# Altium PCB MicroSpecSensorBoard_Layout_V2_1.PcbDoc (part 2 of 2)
Units mm, origin at the board's own origin, x right, y up, seen from the top; angles counter-clockwise.
Board outline 106 x 107.03 mm, 2 copper layers (Top Layer, Bottom Layer); 100 components, 102 nets, 427 pads, 213 vias.
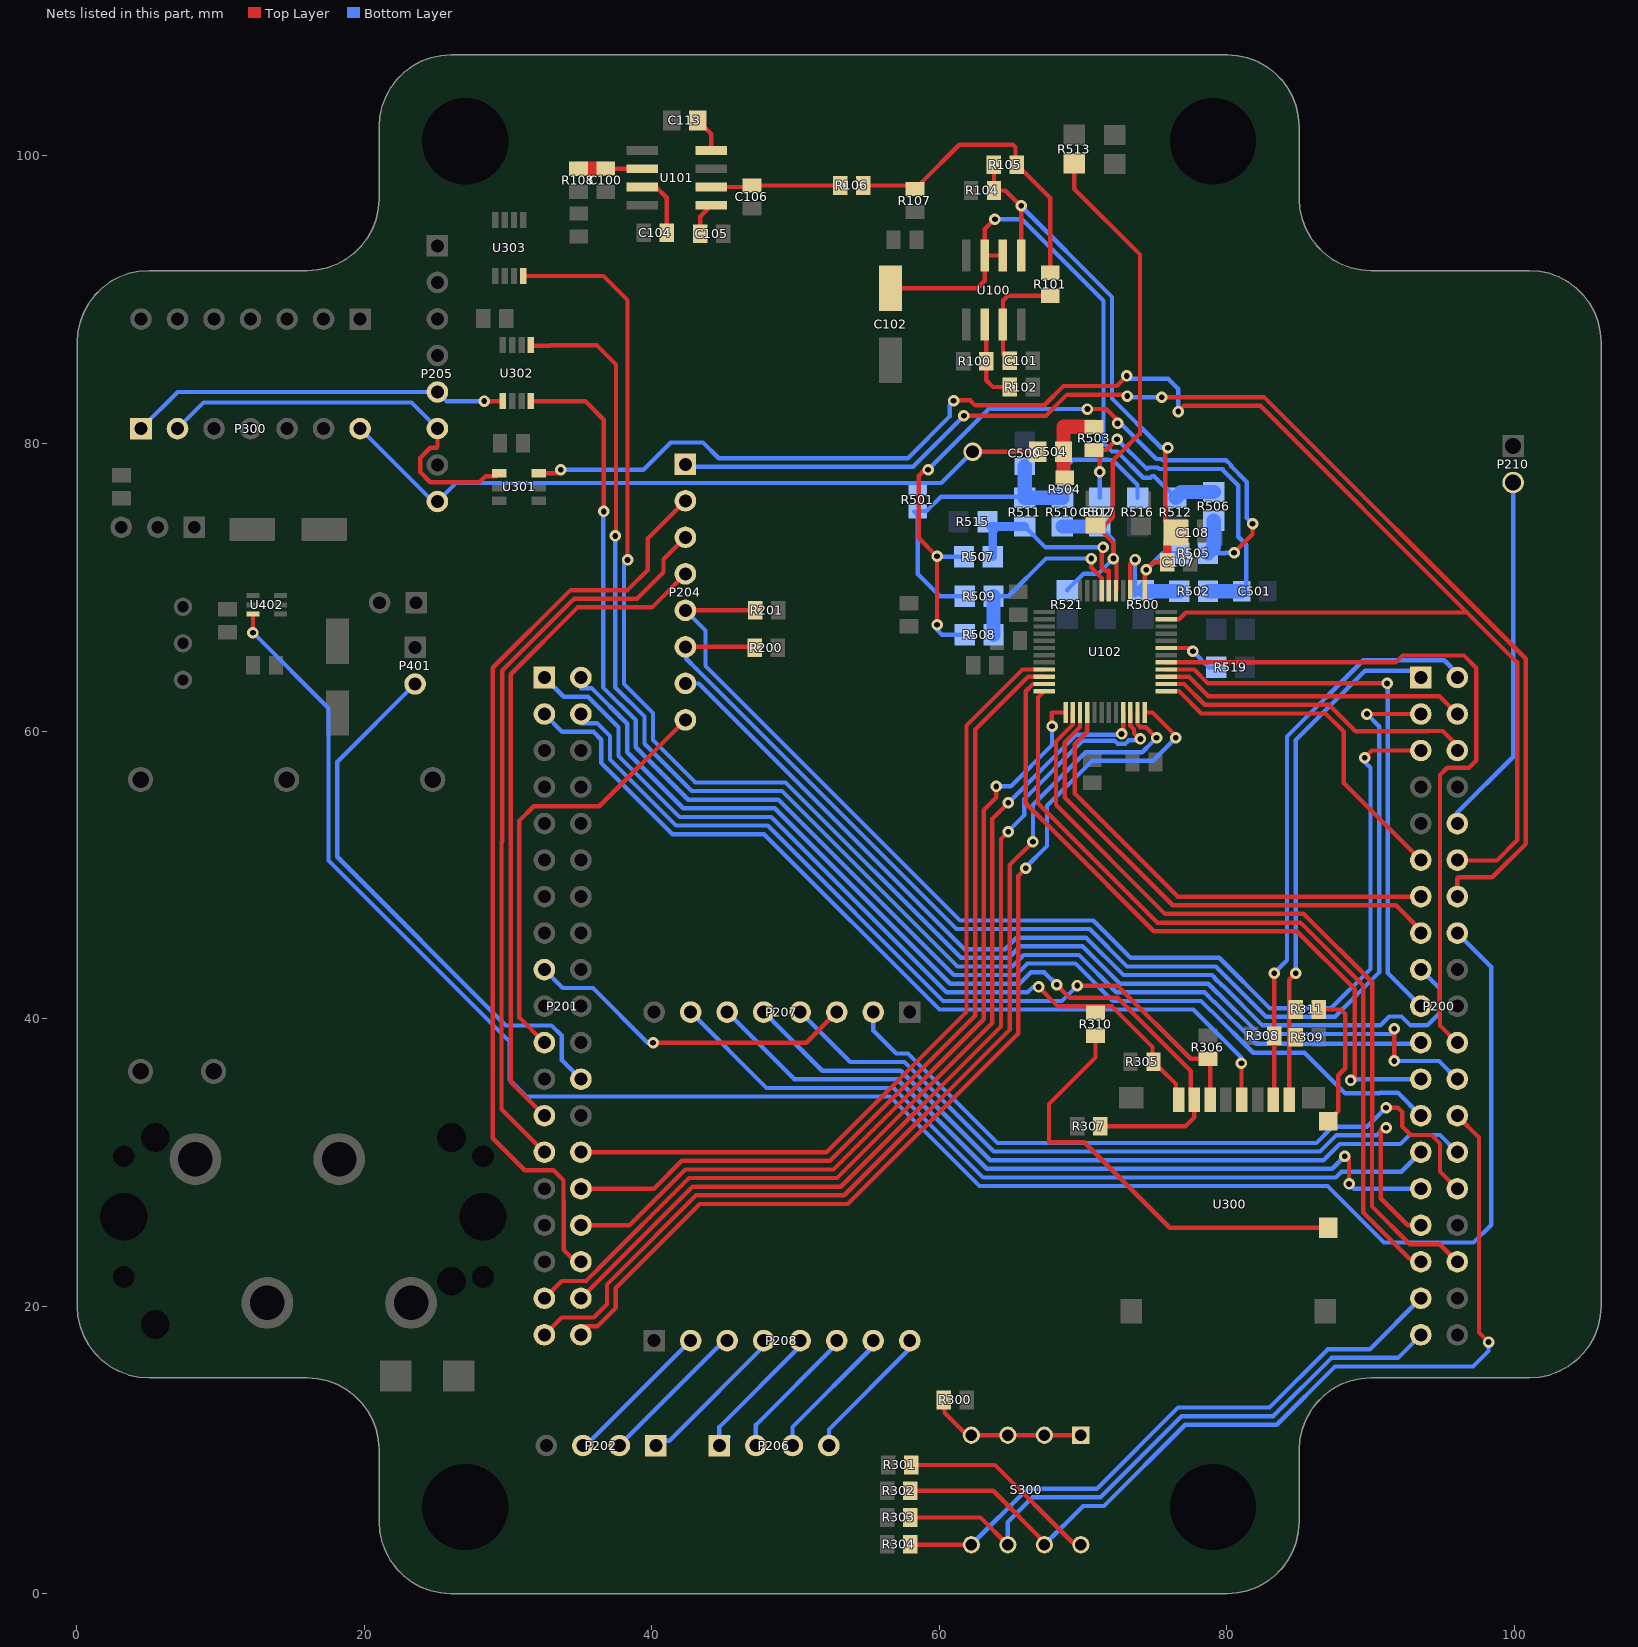
[diagram p2: the nets of this part, all layers, seen from the top]

## Via types
v1: diameter 0.8, hole 0.4, Top Layer to Bottom Layer, 209 vias
v2: diameter 1.3, hole 0.9, Top Layer to Bottom Layer, 2 vias
v3: diameter 1, hole 1, Top Layer to Bottom Layer, 2 vias

## Nets (pads, with @x,y where several pads share a name; then routed paths per layer and width w, separated by ;. In a path a pad name is that pad's centre, name@x,y a point inside that pad or via, vN(x,y) a via of type N, cw(c..) or ccw(c..) an arc to the next point about the centre after c; other vN are vias at no path point) (continued)
"IN B": C502.1 R510.2 R513.2 R517.2 R521.2 U102.41 | length 43.3
  Top Layer w0.3: R513.2@69.388,99.475 69.388,97.712 73.963,93.137 73.963,80.625 73.864,80.625 73.213,79.974 73.213,79.948 72.715,79.45 72.689,79.45 72.163,78.924 72.163,78.825 72.063,78.725 72.063,74.875 71.513,74.325 C502.1@70.863,74.325 72.113,73.075 v1(72.113,72) 72.319,71.794 72.319,69.794 U102.41@72.288,69.763
  Bottom Layer w0.3: R521.2@68.888,69.8 70.038,70.95 71.063,70.95 v1(72.113,72) 72.113,73.275 R517.2@71.163,74.225
  Bottom Layer w1: R510.2@68.563,74.225 R517.2@71.163,74.225
"IN C": R507.1 R511.2 R515.2 U102.42 | length 13.6
  Top Layer w0.3: v1@71.288,72.45 71.288,71.4 71.532,71.156 71.788,71.156 U102.42@71.788,69.763
  Bottom Layer w0.3: R511.2@65.938,74.225 67.388,72.775 v1(71.388,72.775)
  Bottom Layer w0.6: R507.1@63.713,72.125 63.713,74.1 63.588,74.225 R511.2@65.938,74.225
"IN D": R508.1 R509.2 U102.43 | length 13.1
  Top Layer w0.3: v1(70.563,72) 70.563,71.374 71.288,70.649 U102.43@71.288,69.763
  Bottom Layer w0.3: R509.2@63.763,69.375 64.788,69.375 67.413,72 v1(70.563,72)
  Bottom Layer w1: R508.1@63.763,66.7 R509.2@63.763,69.375
INGND: R500.2 R502.2 U102.39 | length 9.4
  Top Layer w0.3: U102.39@73.288,69.763 73.288,71.6 v1(73.613,71.925) 73.613,71.85 73.363,71.6
  Bottom Layer w0.3: v1(73.613,71.925) 73.613,69.425 R500.2@74.188,70 ; R500.2@74.188,69.8 R500.2@74.188,70 ; R500.2@74.188,70 74.325,70.138 74.188,70.275 R500.2@74.188,70
  Bottom Layer w1: R500.2@74.188,69.8 74.263,69.725 R502.2@76.688,69.725
NetC100_1: C100.1 R108.1 U101.2 | length 3.8
  Top Layer w0.3: C100.1@37.403,99.11 U101.2@39.338,99.11
  Top Layer w1: R108.1@34.9,99.1 36.613,99.1 36.638,99.125 C100.1@36.788,99.125
NetC101_1: C101.1 R101.2 U100.3 | length 7.8
  Top Layer w0.3: C101.1@64.888,85.75 64.423,86.215 U100.3@64.423,88.275 64.423,89.935 64.763,90.275 R101.2@67.713,90.275
NetC104_1: C104.1 U101.3 | length 4.5
  Top Layer w0.3: U101.3@39.338,97.84 40.298,97.84 41.038,97.1 C104.1@41.038,94.65
NetC105_1: C105.1 U101.5 | length 2.3
  Top Layer w0.3: C105.1@43.363,94.6 43.363,95.795 U101.5@44.138,96.57
NetC113_2: C113.2 U101.8 | length 2.5
  Top Layer w0.3: C113.2@43.188,102.475 44.138,101.525 U101.8@44.138,100.38
NetC500_1: C500.1 R501.2 R509.1 R510.1 R511.1 R516.2 | length 30.2
  Bottom Layer w0.3: R501.2@58.238,75.275 58.5,75.013 58.5,70.913 60.038,69.375 R509.1@61.763,69.375 ; R501.2@58.5,75.3 59.113,75.3 60.113,76.3 65.863,76.3 R511.1@65.938,76.225 ; R510.1@68.563,76.225 68.563,78.15 69.288,78.875 71.737,78.875 71.762,78.85 72.063,78.85 73.788,77.125 R516.2@73.788,76.225
  Bottom Layer w1: C500.1@65.938,78.425 R511.1@65.938,76.225 R510.1@68.563,76.225
NetC501_2: C501.2 R502.1 R503.2 R517.1 | length 25.4
  Top Layer w0.3: v1(71.163,78.025) 71.163,79.15 R503.2@70.763,79.55 71.613,79.55 v1(72.363,80.3)
  Bottom Layer w0.3: R517.1@71.163,76.225 v1(71.163,78.025) ; v1(72.363,80.3) 74.438,78.225 74.538,78.325 75.186,78.325 75.286,78.225 79.713,78.225 79.713,78.153 80.788,77.078 80.788,73.512 81.35,72.95 81.35,70.037 C501.2@81.038,69.725
  Bottom Layer w1: R502.1@78.688,69.725 C501.2@81.038,69.725
NetR100_1: R100.1 R102.2 U100.2 | length 5.7
  Top Layer w0.3: U100.2@63.153,88.275 63.263,88.165 R100.1@63.263,85.725 63.263,84.4 63.738,83.925 R102.2@64.888,83.925
NetR300_1: R300.1 S300.1 S300.2 S300.3 S300.4 | length 11
  Top Layer w0.3: R300.1@60.313,13.475 60.363,13.425 60.363,12.575 61.918,11.02 S300.4@62.223,11.02 S300.3@64.763,11.02 S300.2@67.303,11.02 S300.1@69.843,11.02
NetR301_2: R301.2 S300.8 | length 14.1
  Top Layer w0.3: R301.2@58.038,8.95 63.863,8.95 69.241,3.572 69.671,3.572 S300.8@69.843,3.4
NetR310_2: R310.2 U300.10 | length 30.6
  Top Layer w0.3: R310.2@70.864,38.805 70.864,37.288 67.628,34.052 67.628,31.392 70.083,31.392 76.025,25.45 U300.10@87.038,25.45
NetR311_2: R311.2 U300.9 | length 9.9
  Top Layer w0.3: R311.2@86.4,40.636 87.912,40.636 88.237,40.311 88.237,36.539 87.75,36.052 87.75,33.562 87.538,33.35 87.533,33.35 87.038,32.855 U300.9@87.038,32.85
NetR505_1: R505.1 R506.2 R507.2 R508.2 | length 52.3
  Top Layer w0.3: v1(59.213,78.175) 58.988,78.175 58.563,77.75 58.563,73.425 v1(59.838,72.15) v1(59.838,67.4) v1@59.838,67.3 ; v1(70.3,82.4) 71.613,82.4 72.4,81.613 v1(72.4,81.4) ; v1(80.5,72.4) 81.788,73.688 v1(81.788,74.425)
  Bottom Layer w0.3: v1(59.213,78.175) 63.538,82.5 63.638,82.4 v1(70.3,82.4) ; v1(59.838,67.4) 59.838,67.05 60.188,66.7 R508.2@61.763,66.7 ; v1(59.838,72.15) 59.863,72.125 R507.2@61.713,72.125 ; v1(72.4,81.4) 72.613,81.4 75.088,78.925 75.435,78.925 75.535,78.825 79.961,78.825 80.313,78.474 80.313,78.401 81.388,77.326 81.388,74.825 v1(81.788,74.425) ; R505.1@78.688,72.375 79.888,72.375 79.9,72.363 79.937,72.4 v1(80.5,72.4)
  Bottom Layer w1: R505.1@78.688,72.375 79.088,72.775 R506.2@79.088,74.625
PA0: P201.28 U102.9 | length 57.8
  Top Layer w0.3: P201.28@35.069,30.704 52.143,30.704 61.888,40.449 61.888,60.389 65.774,64.275 U102.9@67.3,64.275
PA1: P201.30 U102.10 | length 58.6
  Top Layer w0.3: P201.30@35.069,28.164 40.143,28.164 42.083,30.104 52.392,30.104 62.488,40.2 62.488,60.088 66.175,63.775 U102.10@67.3,63.775
PA2: P200.35 R304.2 S300.5 | length 42.6
  Top Layer w0.3: R304.2@57.988,3.425 58.013,3.4 S300.5@62.223,3.4
  Bottom Layer w0.3: S300.5@62.223,3.4 66.123,7.3 70.959,7.3 76.603,12.944 82.969,12.944 87.025,17 89.945,17 P200.35@93.489,20.544
PA3: P200.37 R303.2 S300.6 | length 43.3
  Top Layer w0.3: R303.2@57.988,5.3 62.863,5.3 S300.6@64.763,3.4 ; P200.37@93.46,17.96 93.46,18.004 P200.37@93.489,18.004
  Bottom Layer w0.3: S300.6@64.763,3.4 64.763,4.982 66.481,6.7 71.207,6.7 76.851,12.344 83.218,12.344 87.274,16.4 91.9,16.4 P200.37@93.46,17.96
PA4: P201.32 U102.13 | length 58.8
  Top Layer w0.3: P201.32@35.069,25.624 38.452,25.624 42.332,29.504 52.641,29.504 63.088,39.951 63.088,54.502 63.963,55.377 v1(63.963,56.15) ; v1(67.838,60.325) 67.825,60.338 67.825,61.287 U102.13@68.788,61.287
  Bottom Layer w0.3: v1(63.963,56.15) 64.963,56.15 67.838,59.025 v1(67.838,60.325)
PA5: P200.11 U102.25 | length 24.7
  Top Layer w0.3: U102.25@75.776,62.775 76.665,62.775 78.215,61.225 86.864,61.225 88.138,59.951 88.138,56.375 P200.11@93.489,51.024
PA6: P200.13 U102.16 | length 33
  Top Layer w0.3: U102.16@70.288,61.287 70.288,59.95 69.413,59.075 69.413,55.65 76.579,48.484 P200.13@93.489,48.484
PA7: P200.15 U102.15 | length 35.3
  Top Layer w0.3: U102.15@69.788,61.287 69.788,60.276 68.713,59.201 68.713,55.4 76.229,47.884 91.754,47.884 93.489,46.149 P200.15@93.489,45.944 P200.15@93.37,45.825
PA8: P200.23 U102.11 | length 49.1
  Top Layer w0.3: U102.11@67.3,63.275 66.524,63.275 66.013,62.764 66.013,54.975 68.438,52.55 74.913,46.075 84.863,46.075 88.888,42.05 88.888,35.8 88.874,35.786 88.686,35.786 v1(88.6,35.7) ; P200.23@93.489,35.699 P200.23@93.489,35.784
  Bottom Layer w0.3: v1(88.6,35.7) 88.684,35.784 P200.23@93.489,35.784
PA9: P200.21 U302.5 | length 97.1
  Top Layer w0.3: U302.5@31.613,86.85 31.663,86.8 32.89,86.8 32.915,86.825 36.188,86.825 37.513,85.5 37.513,73.625 v1(37.463,73.575)
  Bottom Layer w0.3: v1(37.463,73.575) 37.463,63.033 39.488,61.008 39.488,59.119 42.782,55.825 49.052,55.825 61.252,43.625 65.073,43.625 65.873,44.425 69.711,44.425 72.311,41.825 78.449,41.825 79.149,41.125 79.178,41.125 82.053,38.25 93.415,38.25 P200.21@93.489,38.324
PA10: P200.33 U102.12 | length 57.1
  Top Layer w0.3: U102.12@67.3,62.775 66.863,62.338 66.863,54.974 75.161,46.675 85.111,46.675 89.488,42.299 89.488,26.512 92.55,23.45 92.686,23.314 93.259,23.314 P200.33@93.489,23.084
PA11: P200.14 P204.1 | length 88.6
  Top Layer w0.3: v1(61.713,81.925) 67.413,81.925 68.888,83.4 72.963,83.4 v1(73.063,83.3) ; v1(75.463,83.225) 82.586,83.225 100.788,65.024 100.788,52.151 98.461,49.824 96.096,49.824 96.029,49.757 P200.14@96.029,48.484
  Bottom Layer w0.3: P204.1@42.338,78.555 42.513,78.38 58.168,78.38 v1(61.713,81.925) ; v1(73.063,83.3) 72.813,83.3 72.888,83.225 v1(75.463,83.225)
PA12: P200.12 U102.35 U301.6 | length 120.7
  Top Layer w0.3: U301.6@32.138,77.925 33.413,77.925 v1(33.663,78.175) ; v1@60.788,82.95 v1@60.813,82.975 ; v1(60.988,82.975) v1@60.813,82.975 ; v1(73.038,84.7) 72.338,84 68.639,84 67.301,82.662 62.5,82.662 62.488,82.65 62.163,82.975 62.163,83 60.838,83 v1@60.813,82.975 ; U102.35@75.776,67.775 76.661,67.775 77.136,68.25 96.713,68.25 ; v1(76.613,82.225) 77.013,82.625 82.338,82.625 96.713,68.25 ; P200.12@96.029,51.024 96.053,51 98.788,51 100.188,52.4 100.188,64.775 96.713,68.25
  Bottom Layer w0.3: v1(33.663,78.175) 39.413,78.175 41.313,80.075 43.563,80.075 44.658,78.98 57.818,78.98 60.713,81.875 60.713,82.7 v1(60.988,82.975) ; v1(73.038,84.7) 73.238,84.5 75.913,84.5 76.613,83.8 v1(76.613,82.225)
PA15: P201.17 P207.3 | length 23.3
  Top Layer w0.3: v1(40.088,38.324) 50.737,38.324 P207.3@52.863,40.45
  Bottom Layer w0.3: P201.17@32.529,43.404 33.808,42.125 35.903,42.125 39.704,38.324 v1(40.088,38.324)
PB0: P201.34 P204.2 | length 64.7
  Top Layer w0.3: P201.34@35.069,23.084 34.704,23.084 33.866,23.922 33.866,27.347 33.863,27.35 33.863,28.75 33.163,29.45 31.163,29.45 28.938,31.675 28.938,59.6 28.938,64.397 34.341,69.8 38.313,69.8 39.713,71.2 39.713,73.39 P204.2@42.338,76.015
PB1: P200.24 U303.4 | length 107.6
  Top Layer w0.3: U303.4@31.063,91.65 36.638,91.65 38.313,89.975 v1(38.313,71.9) ; v1(91.638,37.05) 91.6,37.088 91.647,37.135 v1(91.647,39.3)
  Bottom Layer w0.3: v1(38.313,71.9) 38.063,71.65 38.063,63.281 40.088,61.256 40.088,59.368 43.031,56.425 49.301,56.425 61.501,44.225 64.824,44.225 65.624,45.025 69.96,45.025 72.56,42.425 78.698,42.425 79.398,41.725 79.427,41.725 82.227,38.925 84.513,38.925 84.514,38.924 91.424,38.924 91.647,39.147 v1(91.647,39.3) ; v1(91.638,37.05) 94.763,37.05 P200.24@96.029,35.784
PB2: P200.22 U102.29 | length 50.6
  Top Layer w0.3: U102.29@75.776,64.775 78.913,64.775 91.738,64.775 92.213,65.25 96.485,65.25 97.338,64.397 97.338,57.934 96.848,57.444 95.332,57.444 94.829,56.941 94.829,39.524 P200.22@96.029,38.324
PB3: P200.31 P207.4 | length 54.5
  Top Layer w0.3: v1(91.069,32.4) 91.069,32.6 90.7,32.231 90.7,27.5 92.576,25.624 P200.31@93.489,25.624
  Bottom Layer w0.3: P207.4@50.323,40.45 53.798,36.975 57.566,36.975 63.791,30.75 86.474,30.75 87.599,31.875 90.409,31.875 90.934,32.4 v1(91.069,32.4)
PB4: P200.27 P207.7 | length 56.3
  Bottom Layer w0.3: P207.7@42.703,40.45 47.978,35.175 49.669,35.175 56.82,35.175 63.045,28.95 87.574,28.95 87.974,29.35 92.135,29.35 P200.27@93.489,30.704
PB5: P200.29 P207.6 | length 55.1
  Top Layer w0.3: v1(88.2,30.425) 88.3,30.425 88.5,30.225 v1(88.5,28.5)
  Bottom Layer w0.3: P207.6@45.243,40.45 49.918,35.775 51.609,35.775 57.069,35.775 63.294,29.55 87.325,29.55 v1(88.2,30.425) ; v1(88.5,28.5) 88.836,28.164 P200.29@93.489,28.164
PB6: P200.17 P204.7 | length 67.4
  Bottom Layer w0.3: P204.7@42.338,63.315 42.346,63.307 43.255,63.307 43.261,63.313 61.749,44.825 64.576,44.825 65.376,45.625 70.209,45.625 72.809,43.025 78.975,43.025 79.163,42.837 79.163,42.808 79.646,42.325 79.675,42.325 82.475,39.525 90.67,39.525 91.295,40.15 92.15,40.15 92.775,39.525 93.938,39.525 94.788,40.375 94.788,42.105 P200.17@93.489,43.404
PB7: P201.21 P204.8 | length 30.6
  Top Layer w0.3: P201.21@32.529,38.324 30.788,40.065 30.788,53.775 31.788,54.775 36.338,54.775 P204.8@42.338,60.775
PB8: P200.3 P204.6 R200.1 | length 87.6
  Top Layer w0.3: P204.6@42.338,65.855 47.108,65.855 R200.1@47.163,65.8 ; v1(89.738,61.184) P200.3@93.489,61.184
  Bottom Layer w0.3: P204.6@42.338,65.855 42.398,65.795 42.398,65.028 43.138,64.288 43.138,64.285 61.198,46.225 70.457,46.225 73.057,43.625 79.224,43.625 82.724,40.125 87.513,40.125 90.588,43.2 90.588,60.334 v1(89.738,61.184)
PB9: P200.5 P204.5 R201.1 | length 85.5
  Top Layer w0.3: P204.5@42.338,68.395 47.183,68.395 R201.1@47.188,68.4 ; v1(89.588,58.15) 90.082,58.644 P200.5@93.489,58.644
  Bottom Layer w0.3: P204.5@42.338,68.395 43.738,66.995 43.738,64.533 61.446,46.825 70.706,46.825 73.306,44.225 79.472,44.225 82.972,40.725 87.264,40.725 89.988,43.449 89.988,57.45 89.588,57.85 v1(89.588,58.15)
PB10: P200.25 U302.4 | length 95.3
  Top Layer w0.3: U302.4@31.613,82.95 35.363,82.95 36.663,81.65 v1(36.663,75.275)
  Bottom Layer w0.3: v1(36.663,75.275) 36.613,75.225 36.613,63.034 38.888,60.759 38.888,58.871 42.534,55.225 48.804,55.225 61.004,43.025 65.321,43.025 65.571,43.275 65.573,43.275 66.123,43.825 69.463,43.825 72.063,41.225 78.201,41.225 78.901,40.525 78.93,40.525 81.83,37.625 85.399,37.625 88.224,34.8 90.598,34.8 90.648,34.85 91.883,34.85 P200.25@93.489,33.244
PB12: P200.16 U402.6 | length 134.5
  Top Layer w0.3: v1(12.258,66.845) U402.6@12.258,68.125
  Bottom Layer w0.3: v1(12.258,66.845) 17.513,61.59 17.513,51.001 30.101,38.413 30.101,35.762 31.288,34.575 47.729,34.575 56.572,34.575 62.797,28.35 87.008,28.35 90.934,24.424 97.162,24.424 98.388,25.65 98.388,43.585 P200.16@96.029,45.944
PB13: P200.30 P207.2 | length 50.2
  Top Layer w0.3: v1(91.069,33.8) 91.9,33.8 92.2,33.5 92.2,32.5 92.796,31.904 94.225,31.904 94.829,31.3 94.829,29.364 P200.30@96.029,28.164
  Bottom Layer w0.3: P207.2@55.403,40.45 55.403,39.172 57,37.575 57.814,37.575 64.039,31.35 86.226,31.35 87.351,32.475 89.744,32.475 v1(91.069,33.8)
PB14: P200.28 P207.5 | length 53.7
  Bottom Layer w0.3: P207.5@47.783,40.45 51.858,36.375 53.549,36.375 57.317,36.375 63.542,30.15 86.723,30.15 87.848,31.275 92.075,31.275 92.7,31.9 92.988,31.9 92.992,31.904 94.829,31.904 P200.28@96.029,30.704
PB15: P200.26 R302.2 S300.7 | length 64.7
  Top Layer w0.3: R302.2@57.988,7.15 63.75,7.15 67.303,3.597 S300.7@67.303,3.4 ; P200.26@96.029,33.244 97.538,31.735 97.538,18.162 v1(98.2,17.5)
  Bottom Layer w0.3: S300.7@67.303,3.4 70.003,6.1 71.456,6.1 77.1,11.744 83.466,11.744 87.517,15.795 97.12,15.795 98.2,16.875 v1(98.2,17.5)
PC0: P201.38 U102.24 | length 70.8
  Top Layer w0.3: P201.38@35.069,18.004 35.069,18.356 35.317,18.604 36.216,18.604 37.488,19.876 37.488,21.26 43.332,27.104 53.635,27.104 65.488,38.957 65.488,49.925 v1(66.013,50.45) ; U102.24@74.288,61.287 74.826,61.287 76.563,59.55 76.538,59.525 v1(76.438,59.525)
  Bottom Layer w0.3: v1(66.013,50.45) 66.013,50.525 67.488,52 67.488,54.801 70.612,57.925 74.838,57.925 v1(76.438,59.525)
PC1: P201.36 U102.22 | length 65.7
  Top Layer w0.3: P201.36@35.069,20.544 35.075,20.544 36.869,22.338 36.869,22.344 42.829,28.304 53.138,28.304 64.288,39.454 64.288,52.487 v1(64.8,53) ; U102.22@73.288,61.287 73.288,60.369 73.538,60.119 73.538,59.85 73.963,59.425 v1(73.988,59.45)
  Bottom Layer w0.3: v1(64.8,53) 64.8,53.037 65.913,54.15 65.913,55.276 69.961,59.325 72.192,59.325 72.392,59.125 72.951,59.125 73.026,59.2 73.181,59.354 73.892,59.354 v1(73.988,59.45)
PC2: P201.35 U102.21 | length 66.7
  Top Layer w0.3: P201.35@32.529,20.544 33.735,21.75 35.432,21.75 36.269,22.587 36.269,22.593 42.58,28.904 52.889,28.904 63.688,39.703 63.688,53.9 v1(64.8,55.012) ; v1(72.672,59.8) 72.838,59.8 72.913,59.875 72.788,60 U102.21@72.788,61.287
  Bottom Layer w0.3: v1(64.8,55.012) 69.538,59.75 72.788,59.75 72.738,59.8 v1(72.672,59.8)
PC3: P201.37 U102.23 | length 71.4
  Top Layer w0.3: P201.37@32.529,18.004 33.729,19.204 35.967,19.204 36.888,20.125 36.888,21.509 37.469,22.09 37.469,22.095 43.077,27.704 53.386,27.704 64.888,39.206 64.888,50.675 v1(66.513,52.3) ; U102.23@73.788,61.287 73.788,60.47 73.984,60.274 74.363,60.274 v1(75.113,59.525)
  Bottom Layer w0.3: v1(66.513,52.3) 66.513,54.875 70.163,58.525 74.113,58.525 74.788,59.2 v1(75.113,59.525)
PC4: P200.34 U102.14 | length 57.1
  Top Layer w0.3: U102.14@69.288,61.287 69.288,60.45 68.113,59.275 68.113,54.875 75.704,47.284 85.351,47.284 90.113,42.522 90.113,32.893 90.1,32.88 90.1,26.925 92.725,24.3 94.813,24.3 P200.34@96.029,23.084
PC5: P200.6 U102.26 | length 22.4
  Top Layer w0.3: U102.26@75.776,63.275 77.013,63.275 78.463,61.825 87.113,61.825 88.954,59.984 93.986,59.984 94.002,60 95.013,60 96.029,58.984 P200.6@96.029,58.644
PC6: P200.4 U102.27 | length 21.3
  Top Layer w0.3: U102.27@75.776,63.775 77.362,63.775 78.712,62.425 94.788,62.425 P200.4@96.029,61.184
PC7: P200.19 U102.28 | length 39.2
  Top Layer w0.3: U102.28@75.776,64.275 77.725,64.275 78.685,63.315 v1(91.138,63.315)
  Bottom Layer w0.3: v1(91.138,63.315) 91.138,63.3 91.188,63.25 91.188,43.165 P200.19@93.489,40.864
PC8: P200.2 R308.2 U300.7 | length 40.4
  Top Layer w0.3: U300.7@83.238,34.35 83.288,34.4 v1(83.288,43.15)
  Bottom Layer w0.3: v1(83.288,43.15) 84.188,44.05 84.188,59.625 89.487,64.924 95.114,64.924 96.029,64.009 P200.2@96.029,63.724
PC9: P200.1 R309.1 R311.1 U300.8 | length 36.1
  Top Layer w0.3: U300.8@84.338,34.35 84.338,42.7 v1(84.788,43.15)
  Bottom Layer w0.3: v1(84.788,43.15) 84.788,59.376 89.611,64.2 93.013,64.2 P200.1@93.489,63.724
PC10: P201.1 R305.1 R310.1 U300.1 | length 58.9
  Top Layer w0.3: v1(66.9,42.2) 66.913,42.2 68.263,40.85 72.005,40.85 74.832,38.023 74.832,37.068 R305.1@74.9,37 74.9,36.85 75.25,36.5 75.4,36.5 76.456,35.444 76.456,34.532 U300.1@76.638,34.35
  Bottom Layer w0.3: P201.1@32.529,63.724 33.869,62.384 35.566,62.384 37.688,60.262 37.688,58.272 41.935,54.025 48.307,54.025 60.507,41.825 66.138,41.825 66.513,42.2 v1(66.9,42.2)
PC11: P201.2 R307.1 U300.2 | length 66.1
  Top Layer w0.3: v1(68.163,42.35) 69.063,41.45 72.389,41.45 77.488,36.351 77.488,34.6 U300.2@77.738,34.35 77.738,33.138 77.1,32.5 R307.1@71.2,32.5
  Bottom Layer w0.3: P201.2@35.069,63.724 35.069,62.984 35.815,62.984 38.288,60.511 38.288,58.521 42.184,54.625 48.555,54.625 60.755,42.425 65.571,42.425 66.371,43.225 67.288,43.225 v1(68.163,42.35)
PC12: P201.3 U300.5 | length 62.3
  Top Layer w0.3: v1(81.013,36.9) 81.013,34.375 U300.5@81.038,34.35
  Bottom Layer w0.3: P201.3@32.529,61.184 33.763,59.95 35.938,59.95 36.488,59.4 36.488,57.775 41.438,52.825 47.81,52.825 60.01,40.625 77.663,40.625 81.013,37.275 v1(81.013,36.9)
PC14: P201.25 P204.4 | length 46.7
  Top Layer w0.3: P201.25@32.529,33.244 30.188,35.585 30.188,63.95 34.838,68.6 40.003,68.6 P204.4@42.338,70.935
PC15: P201.27 P204.3 | length 51.9
  Top Layer w0.3: P201.27@32.529,30.704 29.538,33.695 29.538,52.25 29.588,52.3 29.588,64.199 34.589,69.2 38.963,69.2 40.813,71.05 40.813,71.95 P204.3@42.338,73.475
PD2: P201.4 R306.1 U300.3 | length 58.5
  Top Layer w0.3: v1@69.763,42.275 72.413,42.275 77.488,37.2 R306.1@78.685,37.2 78.838,37.047 U300.3@78.838,34.35
  Bottom Layer w0.3: P201.4@35.069,61.184 35.069,60.55 36.186,60.55 37.088,59.649 37.088,58.024 41.686,53.425 48.058,53.425 60.258,41.225 68.525,41.225 v1(69.6,42.3)
PD8: P200.10 P210.2 | length 25.3
  Bottom Layer w0.3: P200.10@96.029,53.564 96.029,54.333 99.913,58.217 P210.2@99.913,77.285
R+: P206.1 P208.5 | length 10.5
  Bottom Layer w0.3: P206.1@45.363,10.9 45.3,10.9 P206.1@44.7,10.3 44.7,11.6 50.323,17.223 P208.5@50.323,17.6
R-: P202.2 P208.3 | length 11.7
  Bottom Layer w0.3: P202.2@37.74,10.3 45.141,17.701 P208.3@45.243,17.6 ; P208.3@45.243,17.6 45.473,17.37 45.013,17.37 P208.3@45.243,17.6
RCT: P202.1 P208.4 | length 10.9
  Bottom Layer w0.3: P202.1@40.28,10.3 40.607,10.627 41.21,10.627 P208.4@48.183,17.6
RD: R519.2 U102.31 | length 4.1
  Top Layer w0.3: U102.31@75.776,65.775 77.438,65.775 77.663,65.55 v1(77.638,65.55)
  Bottom Layer w0.3: v1(77.638,65.55) 78.763,64.425 R519.2@79.263,64.425
REF: C107.2 C108.1 R104.1 R105.2 R505.2 U100.5 U102.37 | length 43.1
  Top Layer w0.3: R105.2@63.788,99.4 63.8,99.388 R104.1@63.8,97.6 64.588,97.6 65.693,96.495 U100.5@65.693,93.075 ; U102.37@74.288,69.763 74.288,71.125 v1(74.388,71.225) 74.913,71.75 C107.2@75.863,71.75 ; v1@75.713,79.45 75.713,74.55 C108.1@76.463,73.8
  Top Layer w0.6: C107.2@75.863,71.75 75.863,73.2 C108.1@76.463,73.8
  Bottom Layer w0.3: v1(65.7,96.532) 65.7,96.5 72.013,90.187 72.013,83.125 75.438,79.7 v1(75.9,79.7) ; v1(74.388,71.225) 75.538,72.375 R505.2@76.688,72.375
REFOUT: C106.1 R106.2 U101.6 | length 9.1
  Top Layer w0.3: U101.6@44.138,97.84 46.853,97.84 C106.1@46.963,97.95 53.073,97.95 R106.2@53.163,97.86
REFS: R101.1 R105.1 R106.1 R107.1 | length 22.1
  Top Layer w0.3: R106.1@54.713,97.95 58.05,97.95 R107.1@58.3,97.7 58.45,97.7 58.8,98.05 58.8,98.2 61.379,100.779 65.124,100.779 65.3,100.604 65.3,99.338 R105.1@65.388,99.25 ; R105.1@65.388,99.4 R105.1@65.388,99.25 ; R101.1@67.713,91.875 67.713,97.075 65.888,98.9 65.738,98.9 R105.1@65.388,99.25
SIG-: C504.2 R503.1 R504.2 | length 5.7
  Top Layer w1: R504.2@68.713,77.625 68.638,77.7 C504.2@68.638,79.425 68.638,81.175 70.738,81.175 R503.1@70.763,81.15
ST: P205.5 P300.1 U302.1 | length 26.5
  Top Layer w0.3: v1(28.353,82.95) U302.1@29.638,82.95
  Bottom Layer w0.3: P300.1@4.469,81.034 7.02,83.585 P205.5@25.088,83.585 25.723,82.95 v1(28.353,82.95)
TCT: P206.4 P208.8 | length 9.7
  Bottom Layer w0.3: P206.4@52.383,10.3 P206.4@52.32,10.3 52.32,11.42 57.943,17.043 P208.8@57.943,17.6
TD+: P206.3 P208.7 | length 9.6
  Bottom Layer w0.3: P206.3@49.78,10.3 49.78,11.58 55.403,17.203 P208.7@55.403,17.6
TD-: P206.2 P208.6 | length 9.6
  Bottom Layer w0.3: P206.2@47.24,10.3 47.24,11.74 52.863,17.363 P208.6@52.863,17.6
TRG: P205.6 P300.2 U301.1 | length 29.4
  Top Layer w0.3: P205.6@25.088,81.045 25.088,79.772 25.021,79.705 24.591,79.705 23.888,79.002 23.888,78.008 24.591,77.305 28.018,77.305 28.438,77.725 29.188,77.725 U301.1@29.388,77.925
  Bottom Layer w0.3: P300.2@7.009,81.034 8.825,82.85 23.283,82.85 P205.6@25.088,81.045
VCM: C102.1 R506.1 R512.2 U100.6 U100.7 | length 41.9
  Top Layer w0.3: C102.1@56.613,90.8 62.638,90.8 63.153,91.315 U100.7@63.153,93.075 ; v1(63.863,95.6) 63.838,95.6 63.153,94.915 U100.7@63.153,93.075 ; U100.6@64.423,93.075 U100.7@63.153,93.075
  Bottom Layer w0.3: v1(63.863,95.6) 65.739,95.6 71.413,89.926 71.413,80.058 71.513,79.958 71.513,79.948 72.011,79.45 72.364,79.45 74.189,77.625 74.686,77.625 74.786,77.725 74.938,77.725 R512.2@76.438,76.225
  Bottom Layer w1: R512.2@76.438,76.225 76.838,76.625 R506.1@79.088,76.625
VID: C504.1 P205.8 P300.7 R501.1 | length 50.7
  Top Layer w0.3: v2(62.313,79.425) C504.1@66.838,79.425
  Bottom Layer w0.3: P300.7@19.709,81.034 24.778,75.965 P205.8@25.088,75.965 26.373,77.25 60.138,77.25 v2(62.313,79.425)
VIN: P201.24 P401.2 | length 38.6
  Bottom Layer w0.3: P401.2@23.533,63.275 18.113,57.855 18.113,51.25 29.839,39.524 33.026,39.524 33.729,38.821 33.729,37.124 P201.24@35.069,35.784
YLED_K: P202.3 P208.2 | length 10.5
  Bottom Layer w0.3: P202.3@35.2,10.3 35.403,10.3 P208.2@42.703,17.6
pads on no net: P200.7 P200.8 P200.18 P200.36 P200.38 P201.5 P201.7 P201.9 P201.10 P201.11 P201.12 P201.13 P201.14 P201.15 P201.18 P201.23 P201.26 P201.29 P201.31 P201.33 P203.5 P203.6 P203.7 P203.8 P203.9 P203.10 P203.11 P203.12 P203.13 P203.14 P300.3 P300.4 P300.5 P301.3 P301.4 U101.1 U101.7 U102.3 U102.44 U102.45 U102.46 U102.47 U102.48 U301.3 U301.4 U401.3 U402.3
copper on no net: | length 5.8
  Top Layer w0.3: 96.029,20.544 96.319,20.544
  Bottom Layer w0.254: 85.585,25.165 85.6,19.649
  other v1: 36.563,24.4 37.288,26.875 71.538,54.974 46.513,70.2 47.013,73.575
  other v3: 97.373,77.285 97.373,79.825

## Polygon pours and split planes (outlines as drawn)
GND on Top Layer "Top-Layer-GND" (solid, remove dead copper, pour order 23): 25.975,107.032 35.8,107.067 35.8,94.325 40.541,91.271 52.41,91.271 52.281,68.224 86.25,68.224 86.187,93.769 86.196,93.757 86.7,93.253 87.271,92.825 87.897,92.483 88.566,92.234 89.263,92.082 89.975,92.032 100.975,92.032 101.686,91.981 102.383,91.829 103.052,91.58 103.678,91.238 104.249,90.81 104.753,90.306 105.181,89.735 105.523,89.109 105.772,88.44 105.924,87.743 105.975,87.032 105.975,20.002 105.924,19.29 105.772,18.593 105.523,17.925 105.181,17.298 104.753,16.727 104.249,16.223 103.678,15.795 103.052,15.453 102.383,15.204 101.686,15.052 100.975,15.002 89.975,15.002 89.263,14.951 88.566,14.799 87.897,14.55 87.271,14.208 86.7,13.78 86.196,13.276 85.768,12.705 85.426,12.079 85.177,11.41 85.025,10.713 84.975,10.002 84.975,5.002 84.924,4.29 84.772,3.593 84.523,2.925 84.181,2.298 83.753,1.727 83.249,1.223 82.678,0.795 82.052,0.453 81.383,0.204 80.686,0.052 79.975,0.002 25.975,0.002 25.263,0.052 24.566,0.204 23.897,0.453 23.271,0.795 22.7,1.223 22.196,1.727 21.768,2.298 21.426,2.924 21.177,3.593 21.025,4.29 20.975,5.002 20.975,10.002 20.924,10.713 20.772,11.41 20.523,12.079 20.181,12.705 19.753,13.276 19.249,13.78 18.678,14.208 18.052,14.55 17.383,14.799 16.686,14.951 15.975,15.002 4.975,15.002 4.263,15.052 3.566,15.204 2.897,15.453 2.271,15.795 1.7,16.223 1.196,16.727 0.768,17.298 0.426,17.924 0.177,18.593 0.025,19.29 -0.025,20.002 -0.025,87.032 0.025,87.743 0.177,88.44 0.426,89.109 0.768,89.735 1.196,90.306 1.7,90.81 2.271,91.238 2.897,91.58 3.566,91.829 4.263,91.981 4.975,92.032 15.975,92.032 16.686,92.082 17.383,92.234 18.052,92.483 18.678,92.825 19.249,93.253 19.753,93.757 20.181,94.328 20.523,94.954 20.772,95.623 20.924,96.32 20.975,97.032 20.975,102.032 21.025,102.743 21.177,103.44 21.426,104.109 21.768,104.735 22.196,105.306 22.7,105.81 23.271,106.238 23.897,106.58 24.566,106.829 25.263,106.981
AGND on Top Layer "Top-Layer-AGND" (solid, remove dead copper, pour order 19): 36,107.034 36,93.953 40.212,91.24 52.081,91.24 52.081,68.143 86.25,68.332 86.25,93.548 85.353,94.811 85.104,95.479 84.952,96.176 84.902,96.888 84.902,101.888 84.851,102.599 84.851,103.331 84.577,103.95 84.351,104.582 83.909,105.172 83.364,105.752 82.732,106.24 82.106,106.593 81.031,106.983 80.507,107.034
GND on Bottom Layer "Bottom-Layer-GND" (solid, remove dead copper, pour order 24): 25.975,107.032 35.8,107.067 35.8,94.325 40.541,91.271 52.41,91.271 52.281,68.224 86.25,68.224 86.187,93.769 86.196,93.757 86.7,93.253 87.271,92.825 87.897,92.483 88.566,92.234 89.263,92.082 89.975,92.032 100.975,92.032 101.686,91.981 102.383,91.829 103.052,91.58 103.678,91.238 104.249,90.81 104.753,90.306 105.181,89.735 105.523,89.109 105.772,88.44 105.924,87.743 105.975,87.032 105.975,20.002 105.924,19.29 105.772,18.593 105.523,17.925 105.181,17.298 104.753,16.727 104.249,16.223 103.678,15.795 103.052,15.453 102.383,15.204 101.686,15.052 100.975,15.002 89.975,15.002 89.263,14.951 88.566,14.799 87.897,14.55 87.271,14.208 86.7,13.78 86.196,13.276 85.768,12.705 85.426,12.079 85.177,11.41 85.025,10.713 84.975,10.002 84.975,5.002 84.924,4.29 84.772,3.593 84.523,2.925 84.181,2.298 83.753,1.727 83.249,1.223 82.678,0.795 82.052,0.453 81.383,0.204 80.686,0.052 79.975,0.002 25.975,0.002 25.263,0.052 24.566,0.204 23.897,0.453 23.271,0.795 22.7,1.223 22.196,1.727 21.768,2.298 21.426,2.924 21.177,3.593 21.025,4.29 20.975,5.002 20.975,10.002 20.924,10.713 20.772,11.41 20.523,12.079 20.181,12.705 19.753,13.276 19.249,13.78 18.678,14.208 18.052,14.55 17.383,14.799 16.686,14.951 15.975,15.002 4.975,15.002 4.263,15.052 3.566,15.204 2.897,15.453 2.271,15.795 1.7,16.223 1.196,16.727 0.768,17.298 0.426,17.924 0.177,18.593 0.025,19.29 -0.025,20.002 -0.025,87.032 0.025,87.743 0.177,88.44 0.426,89.109 0.768,89.735 1.196,90.306 1.7,90.81 2.271,91.238 2.897,91.58 3.566,91.829 4.263,91.981 4.975,92.032 15.975,92.032 16.686,92.082 17.383,92.234 18.052,92.483 18.678,92.825 19.249,93.253 19.753,93.757 20.181,94.328 20.523,94.954 20.772,95.623 20.924,96.32 20.975,97.032 20.975,102.032 21.025,102.743 21.177,103.44 21.426,104.109 21.768,104.735 22.196,105.306 22.7,105.81 23.271,106.238 23.897,106.58 24.566,106.829 25.263,106.981
AGND on Bottom Layer "Bottom-Layer-AGND" (solid, remove dead copper, pour order 20): 36,107.034 36,93.953 40.212,91.24 52.081,91.24 52.081,68.143 86.25,68.332 86.25,93.548 85.353,94.811 85.104,95.479 84.952,96.176 84.902,96.888 84.902,101.888 84.851,102.599 84.851,103.331 84.577,103.95 84.351,104.582 83.909,105.172 83.364,105.752 82.732,106.24 82.106,106.593 81.031,106.983 80.507,107.034

## Other copper
Top Layer:
  rectangle net +VS: 71.463,103.1 73.1,105.4
  rectangle net -VS: 68.6,103.2 70.2,105.4
  region net A1: 33.413,96.45 32.246,96.45 32.246,95.689 33.413,95.689
  region net B1: 27.661,91.9 27.661,93.067 26.9,93.067 26.9,91.9
  region: 88.088,57.25
  text "no_Buf" at 60.9,101.8 h1
  text "REF" at 48.9,99 h1
  text "1" at 22.1,90.66 h1
  text "Spectrometer" at 4.013,84.4 h1.52
  text "GND" at 92.113,79.4 h1
  text "DC" at 7.513,78.1 h1
  text "PR_0" at 46.713,78.1 h1
  text "PD8" at 92.113,76.8 h1
  text "PR_1" at 46.713,75.5 h1
  text "AC" at 1.613,73.4 h1 r90
  text "power" at 20.413,72.5 h1
  text "switch" at 20.213,71 h1
  text "SDA" at 50.313,67.9 h1
  text "SCL" at 50.313,65.375 h1
  text "TX" at 46.713,62.3 h1
  text "RX" at 46.713,60.2 h1
  text "V_nucleo" at 25.813,60 h1 r90
  text "external" at 68.513,19.2 h1.52 r90
  text "storage" at 70.413,19 h1.52 r90
  text "PA2" at 62.813,16.5 h1.52 r90
  text "PA3" at 65.613,13.1 h1.52 r90
  text "PB15" at 68.113,13 h1.52 r90
  text "RX-" at 38.5,1.223 h1.52 r90
  text "RX+" at 45.6,1.223 h1.52 r90
  text "LED_Y" at 35.7,1.2 h1.52 r90
  text "CR" at 41.4,1.2 h1.52 r90
  text "TX-" at 48.3,1.2 h1.52 r90
  text "TX+" at 50.8,1.2 h1.52 r90
  text "3V3" at 53.163,1.2 h1.52 r90
  text "LED_G" at 33,1.1 h1.52 r90
Bottom Layer:
  text "HELMHOLTZ" at 87,25.765 h2
  text "ZENTRUM FÜR" at 84.3,23.849 h1.6
  text "UMWELTFORSCHUNG" at 84.3,21.949 h1.6
  text "UFZ" at 84.325,20.165 h1.6
  text "UFZ-MET-ESIS-2019" at 87,18.149 h1.3
  text "MicroSpecV2_1" at 75.7,15.2 h1.6

## Silkscreen, mask and mechanical layers (free items; w line width, h text height)
Top Overlay:
  lines w0.254: 37.655,15.7 37.655,42.3 60.655,42.3 60.655,15.7 37.655,15.7
Top Paste:
  rectangle: 71.4,103.1 73.1,105.4
  rectangle: 68.6,103.2 70.2,105.4
  region: 33.413,96.45 32.246,96.45 32.246,95.689 33.413,95.689
  region: 27.661,91.9 27.661,93.067 26.9,93.067 26.9,91.9
Top Solder:
  text "no_Buf" at 60.9,101.8 h1
  text "REF" at 48.9,99 h1
  text "1" at 22.1,90.66 h1
  text "Spectrometer" at 4.013,84.4 h1.52
  text "GND" at 92.113,79.4 h1
  text "DC" at 7.513,78.1 h1
  text "PR_0" at 46.713,78.1 h1
  text "PD8" at 92.113,76.8 h1
  text "PR_1" at 46.713,75.5 h1
  text "AC" at 1.613,73.4 h1 r90
  text "power" at 20.413,72.5 h1
  text "switch" at 20.213,71 h1
  text "SDA" at 50.313,67.9 h1
  text "SCL" at 50.313,65.375 h1
  text "TX" at 46.713,62.3 h1
  text "RX" at 46.713,60.2 h1
  text "V_nucleo" at 25.813,60 h1 r90
  text "external" at 68.513,19.2 h1.52 r90
  text "storage" at 70.413,19 h1.52 r90
  text "PA2" at 62.813,16.5 h1.52 r90
  text "PA3" at 65.613,13.1 h1.52 r90
  text "PB15" at 68.113,13 h1.52 r90
  text "LED_Y" at 35.7,1.2 h1.52 r90
  text "RX-" at 38.5,1.2 h1.52 r90
  text "CR" at 41.4,1.2 h1.52 r90
  text "RX+" at 45.6,1.2 h1.52 r90
  text "TX-" at 48.3,1.2 h1.52 r90
  text "TX+" at 50.8,1.2 h1.52 r90
  text "3V3" at 53.163,1.2 h1.52 r90
  text "LED_G" at 33,1.1 h1.52 r90
Bottom Solder:
  lines w0.254: 85.585,25.165 85.6,19.649
  text "HELMHOLTZ" at 87,25.765 h2
  text "ZENTRUM FÜR" at 84.3,23.849 h1.6
  text "UMWELTFORSCHUNG" at 84.3,21.949 h1.6
  text "UFZ" at 84.325,20.165 h1.6
  text "UFZ-MET-ESIS-2019" at 87,18.149 h1.3
  text "MicroSpecV2_1" at 75.7,15.2 h1.6
Mechanical 1:
  drawing of 286 lines, arcs and shapes, not listed

## Text inside footprints (layer, text, board x,y; h text height)
P200: Top Overlay "38" at 98,17.4 h1.27; Top Overlay "37" at 89.2,17.24 h1.27; Top Overlay "1" at 92.981,66.264 h1.27 r270; Top Overlay "2" at 95.521,66.264 h1.27 r270
P201: Top Overlay "2" at 34.561,66.264 h1.27 r270; Top Overlay "1" at 32.021,66.264 h1.27 r270; Top Overlay "37" at 32.021,16.48 h1.27 r270; Top Overlay "38" at 34.561,16.48 h1.27 r270